# KiCad board GR26-1.kicad_pcb (continued)
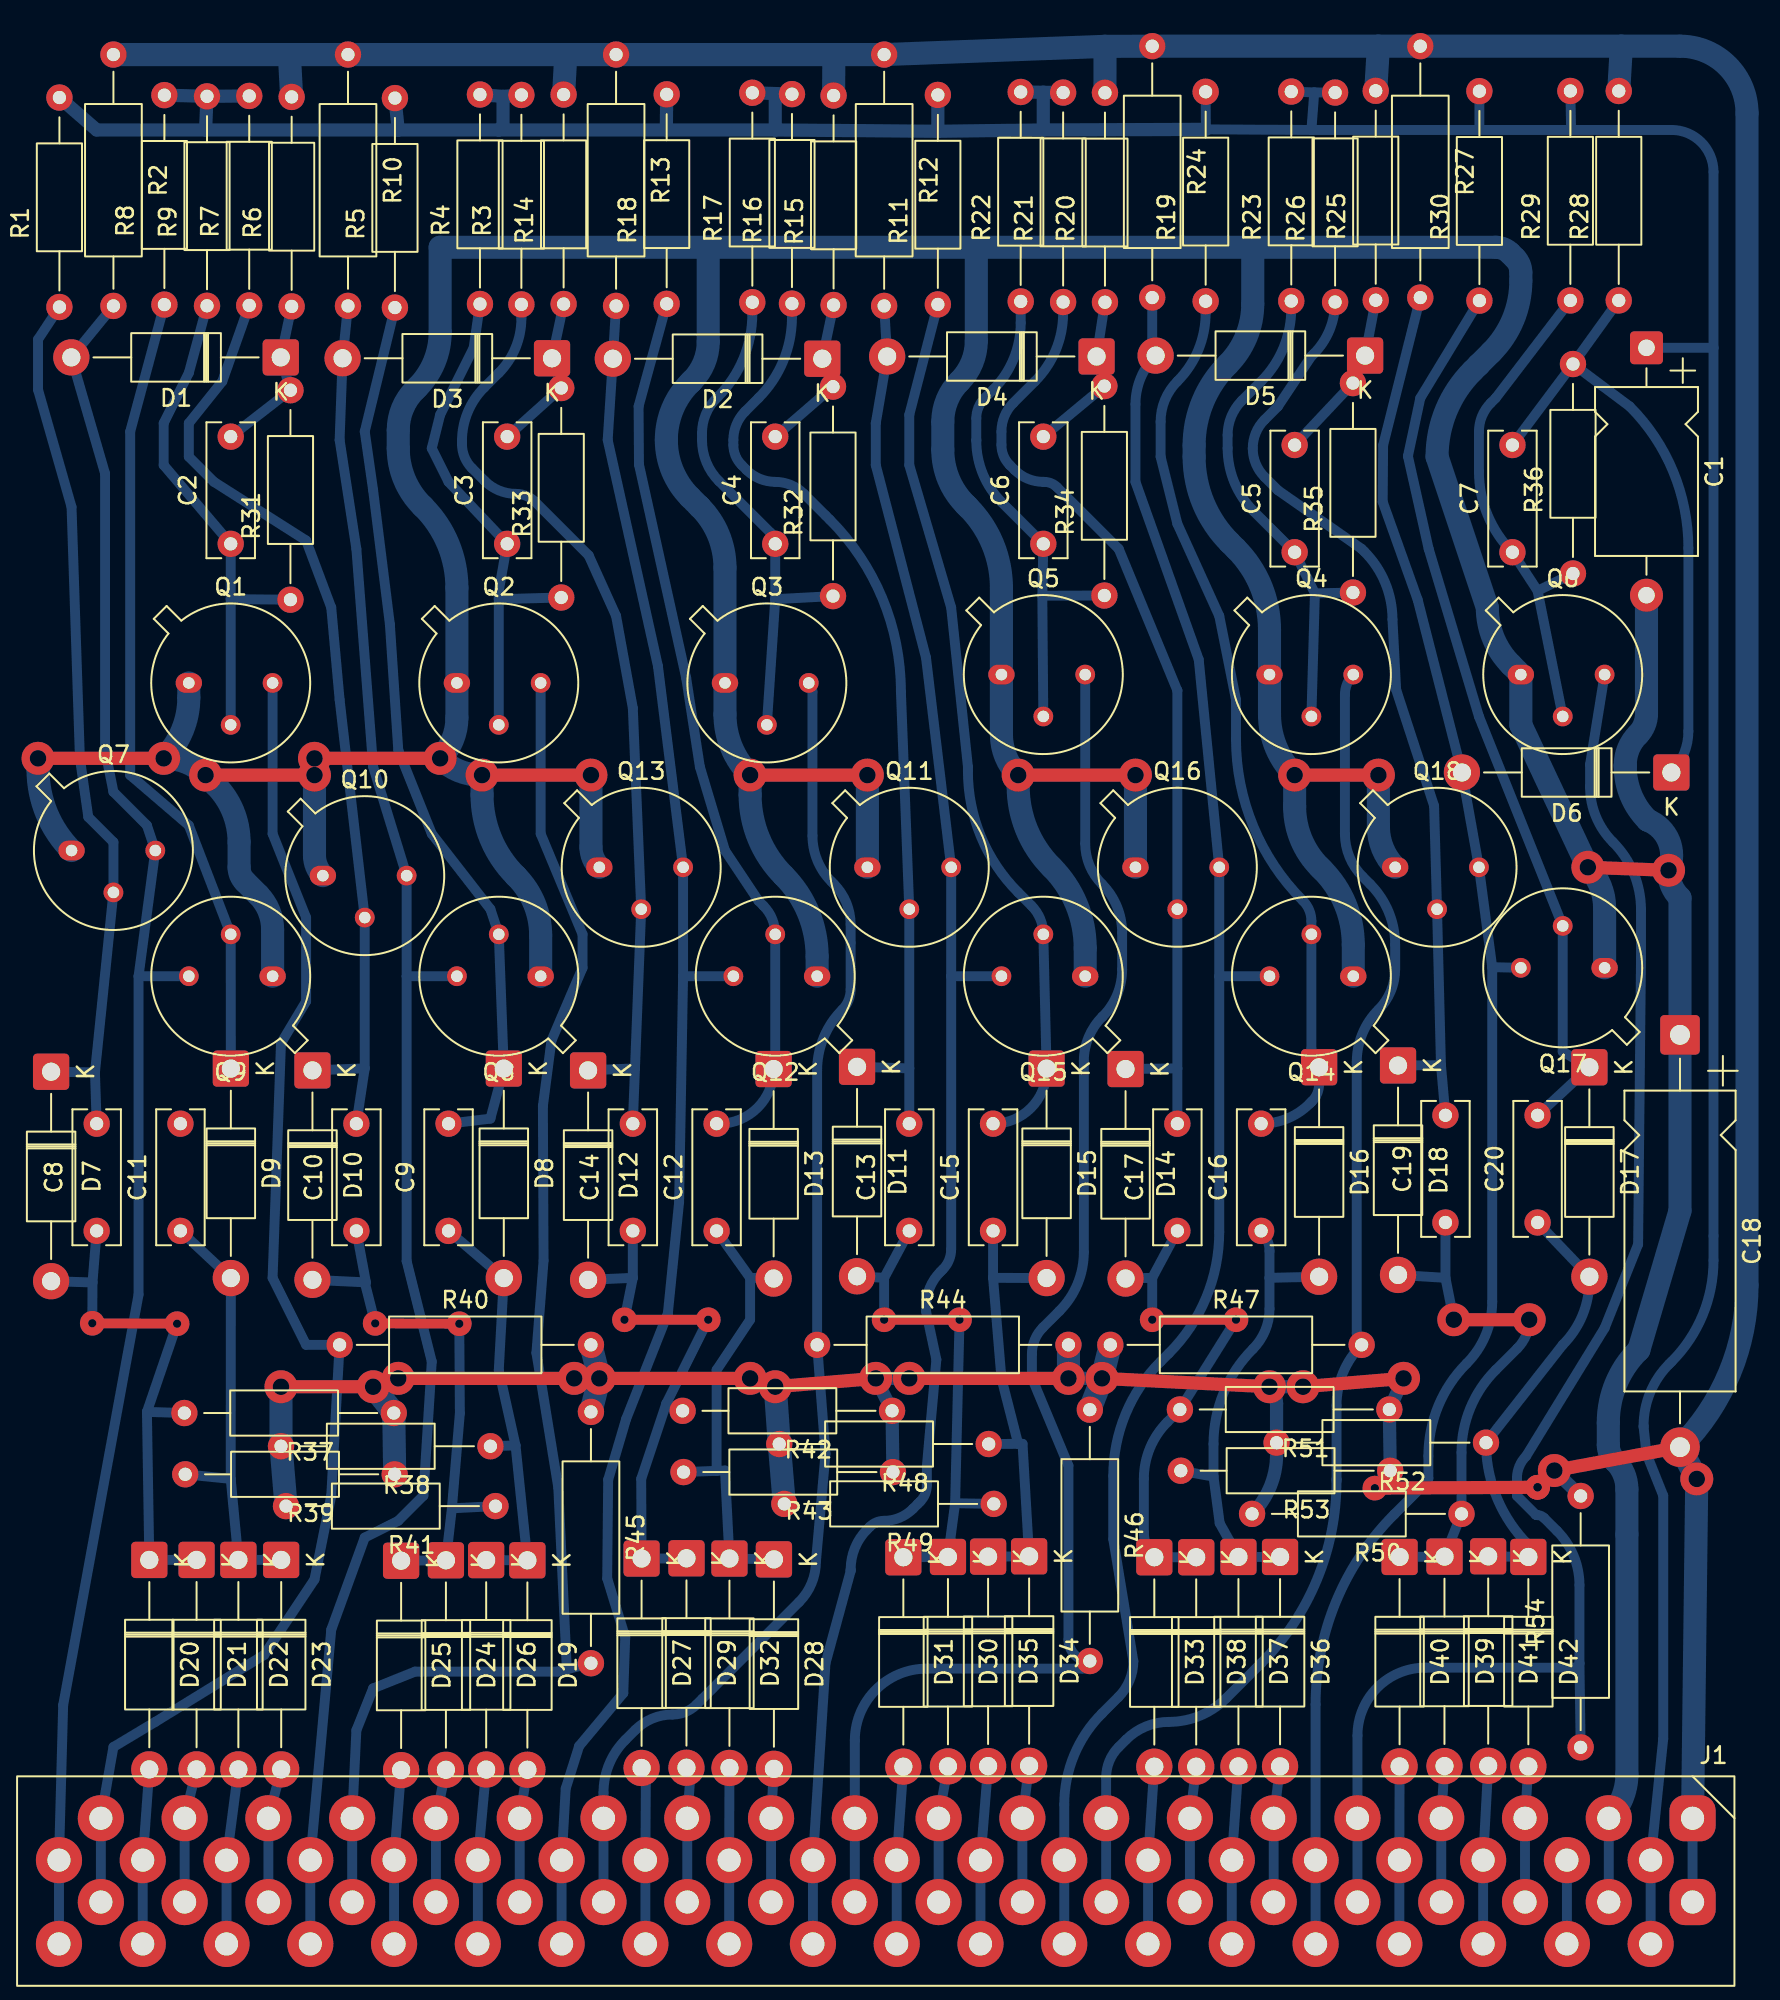
[diagram p0: board, top side]
## Library data of the parts
C1 C18 = -: ki_fp_filters: CP_*
C2-C17 C19 C20 = -: ki_fp_filters: C_*
D1-D6 D19-D42 = -: ki_fp_filters: D*DO?35*
D7-D18 = -: ki_fp_filters: TO-???* *_Diode_* *SingleDiode* D_*
J1 = -: Description: Generic connector, single row, 01x40, script generated (kicad-library-utils/schlib/autogen/connector/); ki_fp_filters: Connector*:*_1x??_*
Q1-Q18 = -: Description: PNP transistor, emitter/base/collector
R1-R54 = -: ki_fp_filters: R_*

## Footprints (pads in the part's own frame, mm; a bottom-side part is the same pattern mirrored in y, then rotated)
C_Rect_L9.0mm_W2.7mm_P7.50mm_MKT
  round 1.6 hole 0.8: 1(0,0) 2(6.5,0)
CP_Axial_L10.0mm_D6.0mm_P15.00mm_Horizontal
  rrect 2x2 hole 1: 1(0,0)
  round 2 hole 1: 2(15,0)
CP_Axial_L18.0mm_D6.5mm_P25.00mm_Horizontal
  rrect 2.4x2.4 hole 1.2: 1(0,0)
  round 2.4 hole 1.2: 2(25,0)
D_DO-41_SOD81_P12.70mm_Horizontal
  rrect 2.2x2.2 hole 1.1: 1(0,0)
  round 2.2 hole 1.1: 2(12.7,0)
ELCO 40
  rrect 2.8x2.8 hole 1.4: 1(0,0) 1(0,-5.08)
  round 2.8 hole 1.4: 2(-2.54,-2.54) 2(-2.54,-7.62) 3(-5.08,0) 3(-5.08,-5.08) 4(-7.62,-2.54) 4(-7.62,-7.62) 5(-10.16,0) 5(-10.16,-5.08) 6(-12.7,-2.54) 6(-12.7,-7.62) 7(-15.24,0) 7(-15.24,-5.08) 8(-17.78,-2.54) 8(-17.78,-7.62) 9(-20.32,0) 9(-20.32,-5.08) 10(-22.86,-2.54) 10(-22.86,-7.62) 11(-25.4,0) 11(-25.4,-5.08) 12(-27.94,-2.54) 12(-27.94,-7.62) 13(-30.48,0) 13(-30.48,-5.08) 14(-33.02,-2.54) 14(-33.02,-7.62) 15(-35.56,0) 15(-35.56,-5.08) 16(-38.1,-2.54) 16(-38.1,-7.62) 17(-40.64,0) 17(-40.64,-5.08) 18(-43.18,-2.54) 18(-43.18,-7.62) 19(-45.72,0) 19(-45.72,-5.08) 20(-48.26,-2.54) 20(-48.26,-7.62) 21(-50.8,0) 21(-50.8,-5.08) 22(-53.34,-2.54) 22(-53.34,-7.62) 23(-55.88,0) 23(-55.88,-5.08) 24(-58.42,-2.54) 24(-58.42,-7.62) 25(-60.96,0) 25(-60.96,-5.08) 26(-63.5,-2.54) 26(-63.5,-7.62) 27(-66.04,0) 27(-66.04,-5.08) 28(-68.58,-2.54) 28(-68.58,-7.62) 29(-71.12,0) 29(-71.12,-5.08) 30(-73.66,-2.54) 30(-73.66,-7.62) 31(-76.2,0) 31(-76.2,-5.08) 32(-78.74,-2.54) 32(-78.74,-7.62) 33(-81.28,0) 33(-81.28,-5.08) 34(-83.82,-2.54) 34(-83.82,-7.62) 35(-86.36,0) 35(-86.36,-5.08) 36(-88.9,-2.54) 36(-88.9,-7.62) 37(-91.44,0) 37(-91.44,-5.08) 38(-93.98,-2.54) 38(-93.98,-7.62) 39(-96.52,0) 39(-96.52,-5.08) 40(-99.06,-2.54) 40(-99.06,-7.62)
R_Axial_DIN0207_L6.3mm_D2.5mm_P10.16mm_Horizontal
  round 1.6 hole 0.8: 1(0,0) 2(12.7,0)
R_Axial_DIN0309_L9.0mm_D3.2mm_P15.24mm_Horizontal
  round 1.6 hole 0.8: 1(0,0) 2(15.24,0)
TO-5-3
  oval 1.6x1.2 hole 0.7: 1(0,0)
  round 1.2 hole 0.7: 2(2.54,-2.54) 3(5.08,0)

## Nets
+6V: C1.1 J1.2 R1.2 R3.2 R4.2 R5.2 R7.2 R8.2 R9.2 R11.2 R16.2 R17.2 R18.2 R19.2 R21.2 R22.2 R23.2 R26.2 R29.2 R30.2
-12V: C18.2 J1.1 R2.1 R6.2 R10.1 R12.1 R13.1 R14.2 R15.2 R20.2 R24.1 R25.2 R27.1 R28.2 R37.1 R38.2 R39.1 R40.2 R41.2 R42.1 R43.1 R44.2 R45.1 R46.1 R47.1 R48.2 R49.2 R50.2 R51.1 R52.2 R53.1 R54.2
GND: C1.2 C18.1 J1.3 Q1.1 Q2.1 Q3.1 Q4.1 Q5.1 Q6.1 Q7.1 Q8.1 Q9.1 Q10.1 Q11.1 Q12.1 Q13.1 Q14.1 Q15.1 Q16.1 Q17.1 Q18.1
J1-P5: D42.2 J1.5
J1-P6: D41.2 J1.6
J1-P7: D39.2 J1.7
J1-P8: D40.2 J1.8
J1-P9: J1.9 Q6.3 R54.1
J1-P10: D6.2 J1.10 Q17.3 Q18.3 R27.2
J1-P11: D36.2 J1.11
J1-P12: D37.2 J1.12
J1-P13: D38.2 J1.13
J1-P14: D33.2 J1.14
J1-P15: J1.15 Q4.3 R47.2
J1-P16: D5.2 J1.16 Q14.3 Q16.3 R24.2
J1-P17: D34.2 J1.17
J1-P18: D35.2 J1.18
J1-P19: D30.2 J1.19
J1-P20: D31.2 J1.20
J1-P21: J1.21 Q5.3 R46.2
J1-P22: D4.2 J1.22 Q11.3 Q15.3 R12.2
J1-P23: D28.2 J1.23
J1-P24: D32.2 J1.24
J1-P25: D29.2 J1.25
J1-P26: D27.2 J1.26
J1-P27: J1.27 Q3.3 R44.1
J1-P28: D2.2 J1.28 Q12.3 Q13.3 R13.2
J1-P29: D19.2 J1.29
J1-P30: D26.2 J1.30
J1-P31: D24.2 J1.31
J1-P32: D25.2 J1.32
J1-P33: J1.33 Q2.3 R45.2
J1-P34: D3.2 J1.34 Q8.3 Q10.3 R10.2
J1-P35: D23.2 J1.35
J1-P36: D22.2 J1.36
J1-P37: D21.2 J1.37
J1-P38: D20.2 J1.38
J1-P39: J1.39 Q1.3 R40.1
J1-P40: D1.2 J1.40 Q7.3 Q9.3 R2.2
Net-(D1-K): C2.2 D1.1 R6.1 R31.2
Net-(D2-K): C4.2 D2.1 R15.1 R32.2
Net-(D3-K): C3.2 D3.1 R14.1 R33.2
Net-(D4-K): C6.2 D4.1 R20.1 R34.2
Net-(D5-K): C5.2 D5.1 R25.1 R35.2
Net-(D6-K): C7.2 D6.1 R28.1 R36.2
Net-(D7-K): C8.2 D7.1 Q7.2 R1.1
Net-(D8-K): C9.2 D8.1 Q8.2 R5.1
Net-(D9-K): C11.2 D9.1 Q9.2 R8.1
Net-(D10-A): C10.1 D10.2 D24.1 D25.1 R41.1
Net-(D10-K): C10.2 D10.1 Q10.2 R7.1
Net-(D11-A): C13.1 D11.2 D30.1 D31.1 R49.1
Net-(D11-K): C13.2 D11.1 Q11.2 R16.1
Net-(D12-A): C14.1 D12.2 D27.1 D29.1 R42.2
Net-(D12-K): C14.2 D12.1 Q13.2 R3.1
Net-(D13-A): C12.1 D13.2 D28.1 D32.1 R43.2
Net-(D13-K): C12.2 D13.1 Q12.2 R18.1
Net-(D14-A): C17.1 D14.2 D33.1 D38.1 R51.2
Net-(D14-K): C17.2 D14.1 Q16.2 R21.1
Net-(D15-A): C15.1 D15.2 D34.1 D35.1 R48.1
Net-(D15-K): C15.2 D15.1 Q15.2 R11.1
Net-(D16-A): C16.1 D16.2 D36.1 D37.1 R53.2
Net-(D16-K): C16.2 D16.1 Q14.2 R19.1
Net-(D17-A): C20.1 D17.2 D41.1 D42.1 R52.1
Net-(D17-K): C20.2 D17.1 Q17.2 R30.1
Net-(D18-A): C19.1 D18.2 D39.1 D40.1 R50.1
Net-(D18-K): C19.2 D18.1 Q18.2 R26.1
Net-(D19-K): C9.1 D8.2 D19.1 D26.1 R38.1
Net-(D20-K): C8.1 D7.2 D20.1 D21.1 R37.2
Net-(D22-K): C11.1 D9.2 D22.1 D23.1 R39.2
Net-(Q1-B): C2.1 Q1.2 R9.1 R31.1
Net-(Q2-B): C3.1 Q2.2 R4.1 R33.1
Net-(Q3-B): C4.1 Q3.2 R17.1 R32.1
Net-(Q4-B): C5.1 Q4.2 R23.1 R35.1
Net-(Q5-B): C6.1 Q5.2 R22.1 R34.1
Net-(Q6-B): C7.1 Q6.2 R29.1 R36.1

Pads without a net: J1 4

## Via types
v1: diameter 2, hole 1, Top to Bottom, 34 vias
v2: diameter 1.5, hole 0.5, Top to Bottom, 13 vias

## Routing (per net, layer and track width the routed paths; a pad name or vN(x,y) marks a point on that pad's centre or on a via; arc(x,y) is an arc through that point)
+6V: length 255
  Bottom w0.6: 76.42,102.36 70.02,102.4 R19.2 ; 76.42,102.36 76.6,104.64 ; 76.42,102.36 86.58,102.36 ; R30.2 86.61,102.39 arc(86.6,102.37) 86.58,102.36 ; R26.2 76.6,104.64 ; 76.6,104.64 R23.2 ; 100.81,89.15 100.81,33.82 arc(100.15,30.5) 98.27,27.69 98.12,27.54 arc(96.97,25.82) 96.57,23.79 96.57,23.73 96.74,22.1 97.76,19.56 97.76,4.83 J1.2 J1.2 ; 100.81,89.15 100.81,99.82 arc(100.06,101.62) 98.27,102.36 92.17,102.36 ; 100.81,89.15 C1.1 ; 92.17,102.36 R29.2 ; 92.17,102.36 86.58,102.36
  Bottom w0.8: 60.17,104.65 R21.2 ; 60.17,104.65 60.17,102.36 ; 60.17,104.65 R22.2 ; 27.15,102.36 27.4,102.62 27.4,104.39 ; 27.15,102.36 37.31,102.36 ; 27.15,102.36 21.05,102.36 ; R17.2 43.91,104.57 ; 43.91,104.57 43.91,102.36 ; 43.91,104.57 R16.2 ; R11.2 53.77,102.28 ; 53.77,102.28 60.17,102.36 ; 53.77,102.28 43.91,102.36 ; R8.2 R9.2 ; R9.2 R7.2 ; R9.2 9.37,102.36 ; 37.31,102.36 43.91,102.36 ; 37.31,102.36 R18.2 ; 9.37,102.36 21.05,102.36 ; 9.37,102.36 2.76,102.36 R1.2 ; 60.17,102.36 70.02,102.4 ; 27.4,104.39 R3.2 ; 27.4,104.39 R4.2 ; 21.05,102.36 R5.2
-12V: length 368.3
  Top w0.8: v1(43.91,26.16) v1(50.01,26.67) ; v1(75.91,26.16) v1(82.01,26.67) ; v1(63.72,26.67) v1(73.88,26.16) ; v2(90.14,20.07) v2(80.27,20.02) ; C18.2 v1(91.15,21.08) ; v1(21.05,26.67) v1(31.72,26.67) ; v1(13.94,26.16) v1(19.53,26.16) ; v1(33.24,26.67) v1(42.39,26.67) ; v1(52.04,26.67) v1(61.69,26.67)
  Bottom w0.6: J1.1 J1.1
  Bottom w0.8: v1(52.04,26.67) v1(50.01,26.67) R42.1 R43.1 ; v1(31.72,26.67) v1(33.24,26.67) ; v1(75.91,26.16) v1(73.88,26.16) arc(74.2,25.69) 74.31,25.13 R52.2 74.31,22.04 arc(73.92,20.1) R50.2 ; v1(19.53,26.16) v1(21.05,26.67) ; R54.2 v1(91.15,21.08) v2(90.14,20.07) ; v1(61.69,26.67) v1(63.72,26.67) ; v2(80.27,20.02) R53.1 R51.1 v1(82.01,26.67) ; v1(42.39,26.67) v1(43.91,26.16)
  Bottom w1.4: R20.2 63.91,107.43 ; 63.91,107.43 R24.1 80.49,107.44 ; 63.91,107.43 R12.1 47.47,106.93 ; R39.1 R37.1 v1(19.53,26.16) ; R49.2 R48.2 v1(43.91,26.16) ; 95.22,107.44 R27.1 80.49,107.44 ; 95.22,107.44 R28.2 ; 95.22,107.44 98.77,107.44 arc(101.65,106.25) 102.84,103.38 102.84,32.31 arc(101.78,27) C18.2 v1(99.79,20.57) J1.1 ; 31.21,106.93 R14.2 ; 31.21,106.93 R13.1 47.47,106.93 ; 31.21,106.93 R10.1 14.45,106.93 ; R45.1 v1(33.24,26.67) R40.2 ; 14.45,106.93 R2.1 ; 14.45,106.93 R6.2 ; R15.2 47.47,106.93 ; R44.2 v1(61.69,26.67) ; v1(13.94,26.16) R38.2 R41.2 ; R46.1 v1(63.72,26.67) R47.1 ; 80.49,107.44 R25.2
GND: length 497.6
  Top w0.8: v1(15.97,64.26) v1(23.59,64.26) ; v1(58.64,63.25) v1(65.75,63.25) ; v1(93.19,57.66) v1(98.08,57.47) ; v1(9.37,63.25) v1(15.97,63.25) ; v1(-0.79,64.26) v1(6.83,64.26) ; v1(75.41,63.25) v1(80.49,63.25) ; v1(26.13,63.25) v1(32.73,63.25) ; v1(42.39,63.25) v1(49.5,63.25)
  Bottom w0.6: J1.3 J1.3
  Bottom w1.4: 56.1,95.25 56.1,89.57 arc(55.84,88.25) 55.09,87.12 arc(54.33,86) 54.07,84.67 54.07,82.97 arc(54.43,81.17) 55.45,79.65 55.59,79.5 arc(57.1,77.25) 57.63,74.6 Q5.1 57.63,65.7 arc(57.89,64.37) v1(58.64,63.25) 58.64,62.56 arc(59.17,59.91) 60.67,57.66 arc(62.18,55.41) 62.71,52.75 Q15.1 ; 56.1,95.25 39.85,95.25 ; 56.1,95.25 72.87,95.25 ; Q8.1 29.69,53.53 arc(29.3,55.47) 28.2,57.11 28.16,57.15 arc(26.66,59.4) 26.13,62.06 v1(26.13,63.25) 26.04,63.25 arc(24.72,63.51) v1(23.59,64.26) arc(24.34,65.39) 24.61,66.71 Q2.1 24.61,74.6 arc(24.08,77.25) 22.57,79.5 22.49,79.59 arc(21.42,81.18) 21.05,83.06 21.05,84.16 arc(21.31,85.49) 22.07,86.61 22.22,86.76 arc(23.23,88.29) 23.59,90.08 23.59,95.25 39.85,95.25 ; C1.2 96.74,66.97 arc(96.61,66.28) 96.22,65.7 arc(95.65,64.85) 95.45,63.86 95.45,63.77 arc(95.8,62.02) 96.79,60.54 96.82,60.51 arc(98.27,58.35) v1(98.08,57.47) arc(98.27,58.35) 98.77,55.8 C18.1 98.77,36.83 96.28,28.4 96.23,28.35 arc(94.89,26.35) 94.43,24 94.43,22.63 arc(94.53,22.12) 94.82,21.69 94.84,21.66 arc(95.37,20.87) 95.55,19.95 95.55,2.65 arc(95.27,1.22) J1.3 ; v1(-0.79,64.26) -0.79,63.58 arc(-0.27,60.92) Q7.1 ; v1(15.97,64.26) v1(15.97,63.25) 15.97,58.38 arc(16.1,57.71) Q10.1 ; 72.87,95.25 87.6,95.25 arc(88.07,95.16) 88.47,94.89 88.76,94.59 arc(89.03,94.2) 89.12,93.73 89.12,93.22 arc(88.66,90.87) 87.33,88.88 86.58,88.14 86.54,88.1 86.2,87.75 arc(84.6,85.37) 84.04,82.55 87.09,73.41 arc(87.46,71.53) 88.53,69.94 Q6.1 89.12,66.29 v1(93.19,57.66) arc(93.94,56.53) 94.2,55.21 Q17.1 ; 72.87,95.25 72.87,91.82 arc(72.47,89.83) 71.34,88.14 arc(69.84,85.89) 69.31,83.23 69.31,82.55 arc(69.87,79.73) 71.47,77.35 71.85,76.96 arc(73.35,74.71) 73.88,72.06 Q4.1 73.88,66.93 arc(74.28,64.93) v1(75.41,63.25) 75.41,61.34 arc(75.8,59.35) 76.93,57.66 77.08,57.51 arc(78.47,55.42) 78.96,52.96 Q14.1 ; v1(49.5,63.25) Q11.1 ; 39.85,95.25 39.85,89.52 arc(39.59,88.24) 38.87,87.16 38.83,87.12 38.74,87.03 arc(37.68,85.44) 37.31,83.57 arc(37.68,81.69) 38.74,80.1 39.3,79.54 39.34,79.5 arc(40.47,77.81) 40.86,75.82 Q3.1 40.86,66.93 arc(41.26,64.93) v1(42.39,63.25) 42.39,62.06 arc(42.91,59.4) 44.42,57.15 arc(45.92,54.9) 46.45,52.24 Q12.1 ; Q9.1 13.43,53.89 arc(13.2,55.02) 12.56,55.99 11.76,56.79 arc(11.49,57.19) 11.4,57.66 11.4,59.18 arc(11.02,61.06) 9.96,62.65 v1(9.37,63.25) arc(8.24,64) 6.91,64.26 v1(6.83,64.26) arc(7.95,65.95) 8.35,67.94 Q1.1 ; v1(65.75,63.25) Q16.1 ; v1(80.49,63.25) 80.49,60.11 arc(80.75,58.78) Q18.1 ; v1(32.73,63.25) 32.73,58.88 arc(32.87,58.22) Q13.1
(no net): length 5.1
  Bottom w0.6: 91.92,-7.62 91.92,-2.54
J1-P5: length 8.2
  Bottom w0.6: D42.2 J1.5 J1.5
J1-P6: length 10.8
  Bottom w0.6: D41.2 J1.6 J1.6
J1-P7: length 8.2
  Bottom w0.6: D39.2 J1.7 J1.7
J1-P8: length 10.8
  Bottom w0.6: J1.8 J1.8 D40.2
J1-P9: length 95.4
  Bottom w0.6: Q6.3 93.32,63.88 93.32,62.54 arc(93.68,60.72) 94.71,59.18 arc(95.97,57.3) 96.41,55.08 96.41,52.14 96.23,34.8 94.2,29.72 89.44,21.96 arc(89.03,21.34) 88.89,20.61 88.89,19.55 90.03,18.41 90.06,18.39 90.1,18.38 90.12,18.38 arc(90.34,18.33) 90.53,18.21 91.32,17.42 arc(92.32,15.92) 92.68,14.13 92.68,9.4 ; R54.1 92.68,9.4 ; 92.68,9.4 arc(92.6,9.21) 92.41,9.13 83.34,9.13 arc(80.42,7.92) 79.22,5.01 J1.9 J1.9
J1-P10: length 105.8
  Bottom w0.6: 87.39,51.6 Q18.3 D6.2 82.87,73.87 80.75,79.82 80.77,83.25 R27.2 ; 87.39,51.6 87.39,31.32 arc(86.99,29.29) 85.84,27.57 arc(84.12,25) 83.52,21.97 83.52,20.62 arc(83.49,20.5) 83.43,20.41 81.45,18.43 arc(77.92,13.14) 76.68,6.9 J1.10 J1.10 ; 87.39,51.6 Q17.3
J1-P11: length 8.2
  Bottom w0.6: D36.2 J1.11 J1.11
J1-P12: length 10.8
  Bottom w0.6: D37.2 J1.12 J1.12
J1-P13: length 8.2
  Bottom w0.6: D38.2 J1.13 J1.13
J1-P14: length 10.8
  Bottom w0.6: D33.2 J1.14 J1.14
J1-P15: length 83.3
  Bottom w0.6: J1.15 J1.15 63.98,2.48 arc(64.17,3.47) 64.74,4.32 65.18,4.76 arc(66.38,5.56) 67.79,5.84 arc(69.66,6.22) 71.26,7.28 73.37,9.4 arc(76.76,14.46) 77.95,20.43 77.95,20.53 77.95,20.57 77.95,25.02 arc(78.34,27.01) R47.2 arc(79.25,29.03) 79.17,29.42 79.17,45.85 arc(79.51,47.57) 80.49,49.02 arc(81.24,50.15) 81.5,51.47 81.5,52.96 arc(81.11,54.95) 79.98,56.64 79.53,57.09 arc(78.73,58.28) 78.45,59.69 78.45,68.12 arc(78.59,68.78) Q4.3
J1-P16: length 107.1
  Bottom w0.6: 70.83,51.05 70.83,35.55 arc(70.04,31.57) 67.79,28.19 67.28,27.69 arc(65.15,24.51) 64.41,20.75 64.41,16.93 65.63,9.52 arc(65.39,8.35) 64.73,7.36 63.72,6.35 arc(62.03,3.82) 61.44,0.83 J1.16 J1.16 ; 70.83,51.05 Q14.3 ; 70.83,51.05 Q16.3 69.59,70.25 65.75,81.03 65.75,85.73 arc(66.07,87.33) D5.2 arc(66.82,88.91) 66.77,89.18 R24.2
J1-P17: length 8.3
  Bottom w0.6: D34.2 J1.17 J1.17
J1-P18: length 10.8
  Bottom w0.6: D35.2 J1.18 J1.18
J1-P19: length 8.3
  Bottom w0.6: D30.2 J1.19 J1.19
J1-P20: length 10.8
  Bottom w0.6: D31.2 J1.20 J1.20
J1-P21: length 90
  Bottom w0.6: Q5.3 62.71,59.09 arc(62.97,57.77) 63.72,56.64 arc(64.63,55.29) 64.95,53.69 64.95,51.46 arc(64.64,49.92) 63.77,48.62 63.73,48.58 arc(62.91,47.35) 62.62,45.91 62.62,34.33 arc(62.24,32.4) 61.15,30.76 60.14,29.76 arc(59.65,29.01) 59.47,28.14 59.47,26.69 61.69,21.38 61.69,10.83 arc(62.07,9.91) R46.2 arc(62.85,9.21) 62.53,9.07 53.1,9.07 arc(50.01,7.79) 48.74,4.71 J1.21 J1.21
J1-P22: length 106.1
  Bottom w0.6: R12.2 D4.2 50.01,84.58 50.01,82.04 53.05,70.36 Q11.3 54.58,51.05 ; 54.58,51.05 54.58,34.5 arc(54.45,33.84) 54.07,33.27 53.92,33.13 arc(53.28,32.16) 53.05,31.03 53.05,30.73 53.68,27.81 53.1,21.34 53.1,20.18 arc(53,19.65) 52.7,19.2 52.25,18.75 arc(51.45,18.22) 50.51,18.03 arc(50.04,17.94) 49.65,17.67 49.5,17.53 arc(48.75,16.4) 48.48,15.07 48.48,14.99 46.96,9.4 J1.22 J1.22 ; 54.58,51.05 Q15.3
J1-P23: length 8.1
  Bottom w0.6: D28.2 J1.23 J1.23
J1-P24: length 10.7
  Bottom w0.6: D32.2 J1.24 J1.24
J1-P25: length 8
  Bottom w0.6: J1.25 J1.25 38.79,2.9
J1-P26: length 10.5
  Bottom w0.6: 36.07,2.89 J1.26 J1.26
J1-P27: length 81.2
  Bottom w0.6: J1.27 J1.27 33.5,1.55 arc(33.84,3.28) 34.82,4.75 35.43,5.36 arc(36.46,6.05) 37.68,6.29 arc(38.47,6.45) 39.14,6.9 45.36,13.11 arc(46.11,14.24) 46.38,15.58 46.96,22.1 R44.1 46.45,45.34 arc(46.85,47.33) 47.97,49.02 arc(48.35,49.58) 48.48,50.25 48.48,54.19 arc(48.22,55.52) 47.47,56.64 47.32,56.79 arc(46.47,58.06) 46.17,59.57 46.17,68.29 arc(46.11,68.58) Q3.3
J1-P28: length 104.8
  Bottom w0.6: 38.32,51.05 38.08,37.35 37.4,30.62 34.87,24.21 33.78,20.52 33.72,14.54 34.82,10.98 34.7,7.59 32.02,4.37 31.2,1.8 J1.28 J1.28 ; 38.32,51.05 Q13.3 36.8,69.85 33.75,83.57 D2.2 R13.2 ; 38.32,51.05 Q12.3
J1-P29: length 8.1
  Bottom w0.6: J1.29 J1.29 D19.2
J1-P30: length 10.6
  Bottom w0.6: J1.30 J1.30 D26.2
J1-P31: length 8.1
  Bottom w0.6: D24.2 J1.31 J1.31
J1-P32: length 10.6
  Bottom w0.6: J1.32 J1.32 D25.2
J1-P33: length 87.5
  Bottom w0.6: Q2.3 29.69,59.69 32.23,53.59 32.23,51.56 30.34,47.15 29.82,43.19 29.86,33.81 29.43,28.21 30.75,20.05 31.27,9.03 ; J1.33 J1.33 18.51,5.33 19.53,7.87 22.07,8.89 30.7,8.89 31.27,9.03 ; 31.27,9.03 R45.2
J1-P34: length 105.3
  Bottom w0.6: 21.56,51.05 21.56,33.78 23.08,27.69 22.57,19.56 21.05,18.03 19.02,17.02 16.99,11.43 J1.34 J1.34 ; 21.56,51.05 Q10.3 19.53,63.75 18.51,76.96 17.49,83.57 D3.2 R10.2 ; 21.56,51.05 Q8.3
J1-P35: length 8.1
  Bottom w0.6: J1.35 J1.35 D23.2
J1-P36: length 10.6
  Bottom w0.6: J1.36 J1.36 D22.2
J1-P37: length 8.1
  Bottom w0.6: J1.37 J1.37 D21.2
J1-P38: length 10.6
  Bottom w0.6: J1.38 J1.38 D20.2
J1-P39: length 83.5
  Bottom w0.6: J1.39 J1.39 3.78,4.32 6.32,5.84 12.92,9.91 15.97,14.48 16.99,19.56 R40.1 15.46,28.7 13.43,32.77 13.94,46.99 15.46,49.53 15.46,54.61 13.43,59.69 Q1.3
J1-P40: length 105
  Bottom w0.6: J1.40 J1.40 0.73,6.86 5.3,31.75 5.3,51.05 ; R2.2 D1.2 3.27,81.53 3.27,64.77 3.78,62.23 5.81,60.2 Q7.3 5.3,51.05 ; 5.3,51.05 Q9.3
Net-(D1-K): length 9.8
  Bottom w0.6: C2.2 R31.2 D1.1 R6.1
Net-(D2-K): length 9.8
  Bottom w0.6: R15.1 D2.1 R32.2 C4.2
Net-(D3-K): length 9.7
  Bottom w0.6: R14.1 D3.1 R33.2 C3.2
Net-(D4-K): length 10
  Bottom w0.6: R20.1 D4.1 R34.2 C6.2
Net-(D5-K): length 10.4
  Bottom w0.6: C5.2 R35.2 D5.1 R25.1
Net-(D6-K): length 38.6
  Bottom w0.6: C7.2 R36.2 ; R36.2 R28.1 ; R36.2 95.73,85.6 arc(98.36,81.66) 99.28,77.01 99.28,65.9 arc(99.01,64.55) D6.1
Net-(D7-K): length 53.6
  Bottom w0.6: 2.66,45.22 C8.2 ; 2.66,45.22 D7.1 ; 2.66,45.22 Q7.2 3.78,59.18 2.25,60.71 1.75,64.26 1.24,79.5 -0.79,86.61 -0.79,89.66 R1.1
Net-(D8-K): length 53.9
  Bottom w0.6: C9.2 26.64,42.42 D8.1 Q8.2 26.64,55.12 23.08,59.69 21.05,64.77 20.54,72.39 19.53,80.52 19.02,84.07 R5.1
Net-(D9-K): length 48.7
  Bottom w0.6: R8.1 4.79,84.07 4.79,63.25 8.35,60.2 Q9.2 D9.1
Net-(D10-A): length 33.8
  Top w0.6: v2(19.65,30) v2(24.75,29.98)
  Bottom w0.6: D10.2 19.02,32.49 ; 19.02,32.49 19.09,32.49 C10.1 ; 19.02,32.49 v2(19.65,30) ; 24.3,18.79 R41.1 ; 24.3,18.79 D24.1 D25.1 ; 24.3,18.79 24.79,24.56 v2(24.75,29.98)
Net-(D10-K): length 57.9
  Bottom w0.6: 19.02,45.47 C10.2 ; 19.02,45.47 Q10.2 17.49,67.82 16.99,73.41 15.46,77.47 9.87,81.03 8.35,82.55 8.35,84.58 10.38,87.12 R7.1 ; 19.02,45.47 D10.1
Net-(D11-A): length 31.4
  Top w0.6: v2(50.51,30.23) v2(55.09,30.23)
  Bottom w0.6: 50.51,32.77 v2(50.51,30.23) ; 50.51,32.77 D11.2 ; 50.51,32.77 C13.1 ; 54.82,19.1 D30.1 D31.1 ; 54.82,19.1 v2(55.09,30.23) ; 54.82,19.1 R49.1
Net-(D11-K): length 58.4
  Bottom w0.6: 52.04,45.47 Q11.2 51.53,68.33 arc(50.41,73.96) 47.22,78.73 45.64,80.31 arc(44.85,80.84) 43.91,81.03 arc(42.97,81.21) 42.18,81.74 41.88,82.04 arc(41.5,82.6) 41.37,83.27 41.37,83.57 arc(41.56,84.5) 42.09,85.3 42.89,86.11 arc(44.4,88.35) 44.92,91.01 R16.1 ; 52.04,45.47 C13.2 ; 52.04,45.47 D11.1
Net-(D12-A): length 32.5
  Top w0.6: v2(39.85,30.23) v2(34.77,30.23)
  Bottom w0.6: R42.2 37.31,25.15 ; 37.31,25.15 v2(39.85,30.23) ; 37.31,25.15 35.78,20.57 D27.1 ; 36.07,15.59 36.22,15.75 38.65,15.75 38.79,15.6 ; 35.27,32.77 C14.1 ; 35.27,32.77 D12.2 ; 35.27,32.77 v2(34.77,30.23)
Net-(D12-K): length 58
  Bottom w0.6: 35.41,45.47 Q13.2 35.27,67.31 34.26,72.9 32.6,76.57 29.35,79.82 arc(28.81,80.17) 28.19,80.3 arc(27.16,80.5) 26.29,81.08 25.52,81.85 arc(25.07,82.52) 24.92,83.32 24.92,83.45 24.91,83.5 arc(25.26,85.25) 26.26,86.74 27.15,87.63 arc(28.16,89.15) 28.52,90.94 R3.1 ; 35.41,45.47 C14.2 ; 35.41,45.47 D12.1
Net-(D13-A): length 27.8
  Bottom w0.6: D13.2 42.39,32.77 ; 42.39,32.77 42.39,30.23 40.35,27.18 40.35,21.06 ; 42.39,32.77 C12.1 ; 40.35,21.06 40.86,21.08 D32.1 D28.1 ; 40.35,21.06 R43.2
Net-(D13-K): length 53.6
  Bottom w0.6: C12.2 40.5,42.11 arc(42.84,43.08) D13.1 arc(43.88,45.45) 43.91,45.52 Q12.2 arc(43.72,54.53) 43.19,55.33 42.89,55.63 40.86,58.67 39.34,63.75 38.51,69.13 35.65,82.08 35.62,85.61 R18.1
Net-(D14-A): length 31.3
  Top w0.6: v2(66.77,30.23) v2(71.85,30.23)
  Bottom w0.6: 66.77,32.77 v2(66.77,30.23) ; 66.77,32.77 D14.2 ; 66.77,32.77 C17.1 ; D38.1 D33.1 arc(66.43,16.53) 66.26,17.35 66.26,20.57 arc(66.63,22.44) 67.69,24.03 R51.2 v2(71.85,30.23)
Net-(D14-K): length 58.5
  Bottom w0.6: R21.1 61.37,91.25 arc(60.92,89.02) 59.66,87.12 58.34,85.81 arc(57.81,85.01) 57.63,84.07 57.63,83.27 arc(57.76,82.6) 58.13,82.04 58.43,81.74 arc(59.23,81.21) 60.17,81.03 60.21,81.03 arc(60.64,80.94) 61,80.7 64.74,76.96 68.29,68.38 68.29,55.17 Q16.2 68.29,45.47 ; 68.29,45.47 C17.2 ; 68.29,45.47 D14.1
Net-(D15-A): length 27.7
  Bottom w0.6: 57.12,32.77 D15.2 ; 57.12,32.77 57.63,26.67 58.64,22.7 ; 57.12,32.77 C15.1 ; R48.1 58.64,22.7 ; 58.64,22.7 58.91,22.7 D34.1 D35.1
Net-(D15-K): length 53.5
  Bottom w0.6: R11.1 52.04,85.09 52.04,82.04 54.58,73.41 55.59,63.75 55.59,63.49 arc(56.39,59.51) 58.64,56.13 59.45,55.33 arc(59.98,54.53) Q15.2 D15.1 60.36,45.36 arc(59.41,43.06) C15.2
Net-(D16-A): length 28.7
  Bottom w0.6: R53.2 70.49,20.71 ; 70.49,20.71 70.86,17.89 D37.1 D36.1 ; 70.49,20.71 70.49,22.69 arc(71.11,25.81) 72.87,28.45 arc(73.62,29.57) 73.88,30.89 73.88,32.77 ; D16.2 73.88,32.77 ; 73.88,32.77 73.88,34.39 arc(73.75,35.05) C16.1
Net-(D16-K): length 54.9
  Bottom w0.6: R19.1 70.01,91.26 arc(69.56,89.02) 68.29,87.12 arc(67.54,86) 67.28,84.67 67.28,82.55 68.29,78.49 70.83,72.9 71.85,67.82 71.85,65.44 arc(72.91,60.13) 75.91,55.63 arc(76.29,55.06) 76.42,54.4 Q14.2 76.42,46.66 arc(76.54,46.05) D16.1 76.89,44.51 arc(76.78,43.95) 76.46,43.47 76.42,43.43 76.32,43.33 arc(74.97,42.43) C16.2
Net-(D17-A): length 26.7
  Bottom w0.6: C20.1 D17.2 93.28,32.6 arc(92.86,30.49) 91.66,28.7 R52.1 87.01,22.64 arc(87.01,22.57) 87.01,22.51 arc(87.73,19.3) 89.58,16.57 D42.1 D41.1
Net-(D17-K): length 54.3
  Bottom w0.6: R30.1 83.03,86.11 82.28,82.58 83.53,76.96 86.58,66.8 Q17.2 91.66,46.48 D17.1 C20.2
Net-(D18-A): length 32
  Top w0.8: v1(85.06,30.23) v1(89.63,30.23)
  Bottom w0.6: 84.55,32.77 v1(85.06,30.23) ; 84.55,32.77 C19.1 ; 84.55,32.77 D18.2 ; D40.1 D39.1 R50.1 85.52,18.51 85.52,22.17 arc(86.06,24.88) 87.6,27.18 88.91,28.49 arc(89.44,29.29) v1(89.63,30.23)
Net-(D18-K): length 57.5
  Bottom w0.6: 84.28,45.66 C19.2 ; 84.28,45.66 D18.1 ; 84.28,45.66 Q18.2 83.86,61.38 81.56,68.42 81.34,72.68 arc(80.9,74.91) 79.63,76.8 79.47,76.96 74.39,80.52 73.58,81.32 arc(73.05,82.12) 72.87,83.06 arc(73.05,84) 73.58,84.79 74.39,85.6 76.42,88.65 76.55,88.78 arc(77.52,90.22) R26.1
Net-(D19-K): length 25.7
  Bottom w0.6: 28.16,22.61 27.15,27.18 D8.2 C9.1 ; 28.16,22.61 D19.1 D26.1 ; 28.16,22.61 R38.1
Net-(D20-K): length 33
  Top w0.6: v2(7.64,29.98) v2(2.5,30.01)
  Bottom w0.6: D21.1 D20.1 5.81,24.64 ; R37.2 5.81,24.64 ; 5.81,24.64 v2(7.64,29.98) ; D7.2 2.51,32.49 ; 2.51,32.49 C8.1 ; 2.51,32.49 v2(2.5,30.01)
Net-(D22-K): length 26.7
  Bottom w0.6: 10.89,20.57 D22.1 D23.1 ; 10.89,20.57 D9.2 C11.1 ; 10.89,20.57 R39.2
Net-(Q1-B): length 31
  Bottom w0.6: 10.89,73.91 R31.1 ; 10.89,73.91 C2.1 6.83,82.04 6.83,84.58 8.35,87.63 R9.1 ; 10.89,73.91 Q1.2
Net-(Q2-B): length 31.6
  Bottom w0.6: Q2.2 27.15,73.91 ; 27.15,73.91 27.15,74.42 C3.1 24.1,81.03 23.08,83.06 23.59,85.09 25.62,89.15 R4.1 ; 27.15,73.91 R33.1
Net-(Q3-B): length 31.6
  Bottom w0.6: 43.91,73.91 C4.1 arc(43.84,77.63) 43.64,77.93 40.5,81.07 arc(39.74,82.21) 39.47,83.56 39.47,83.97 arc(39.7,85.13) 40.35,86.11 40.44,86.19 arc(41.98,88.5) 42.52,91.22 R17.1 ; 43.91,73.91 Q3.2 ; 43.91,73.91 R32.1
Net-(Q4-B): length 30.4
  Bottom w0.6: R23.1 75.2,91.54 arc(74.73,89.15) 73.37,87.12 72.21,85.96 arc(71.57,85) 71.34,83.86 71.34,83.06 arc(71.75,80.99) 72.92,79.24 C5.1 76.63,74.27 ; R35.1 76.63,74.27 ; 76.63,74.27 Q4.2
Net-(Q5-B): length 31.2
  Bottom w0.6: R22.1 58.8,90.66 arc(58.36,88.47) 57.12,86.61 56.61,86.11 arc(56.23,85.54) 56.1,84.88 56.1,83.57 56.1,83.52 arc(56.5,81.5) 57.65,79.79 C6.1 60.11,74.12 ; 60.11,74.12 Q5.2 ; 60.11,74.12 R34.1
Net-(Q6-B): length 30.6
  Bottom w0.6: R29.1 87.6,86.11 87.3,85.81 arc(86.77,85.01) 86.58,84.07 86.58,81.67 arc(87.11,79.01) C7.1 90.14,74.42 ; Q6.2 90.14,74.42 ; 90.14,74.42 R36.1
